# KiCad board peripheral_board_v1a.kicad_pcb (continued)
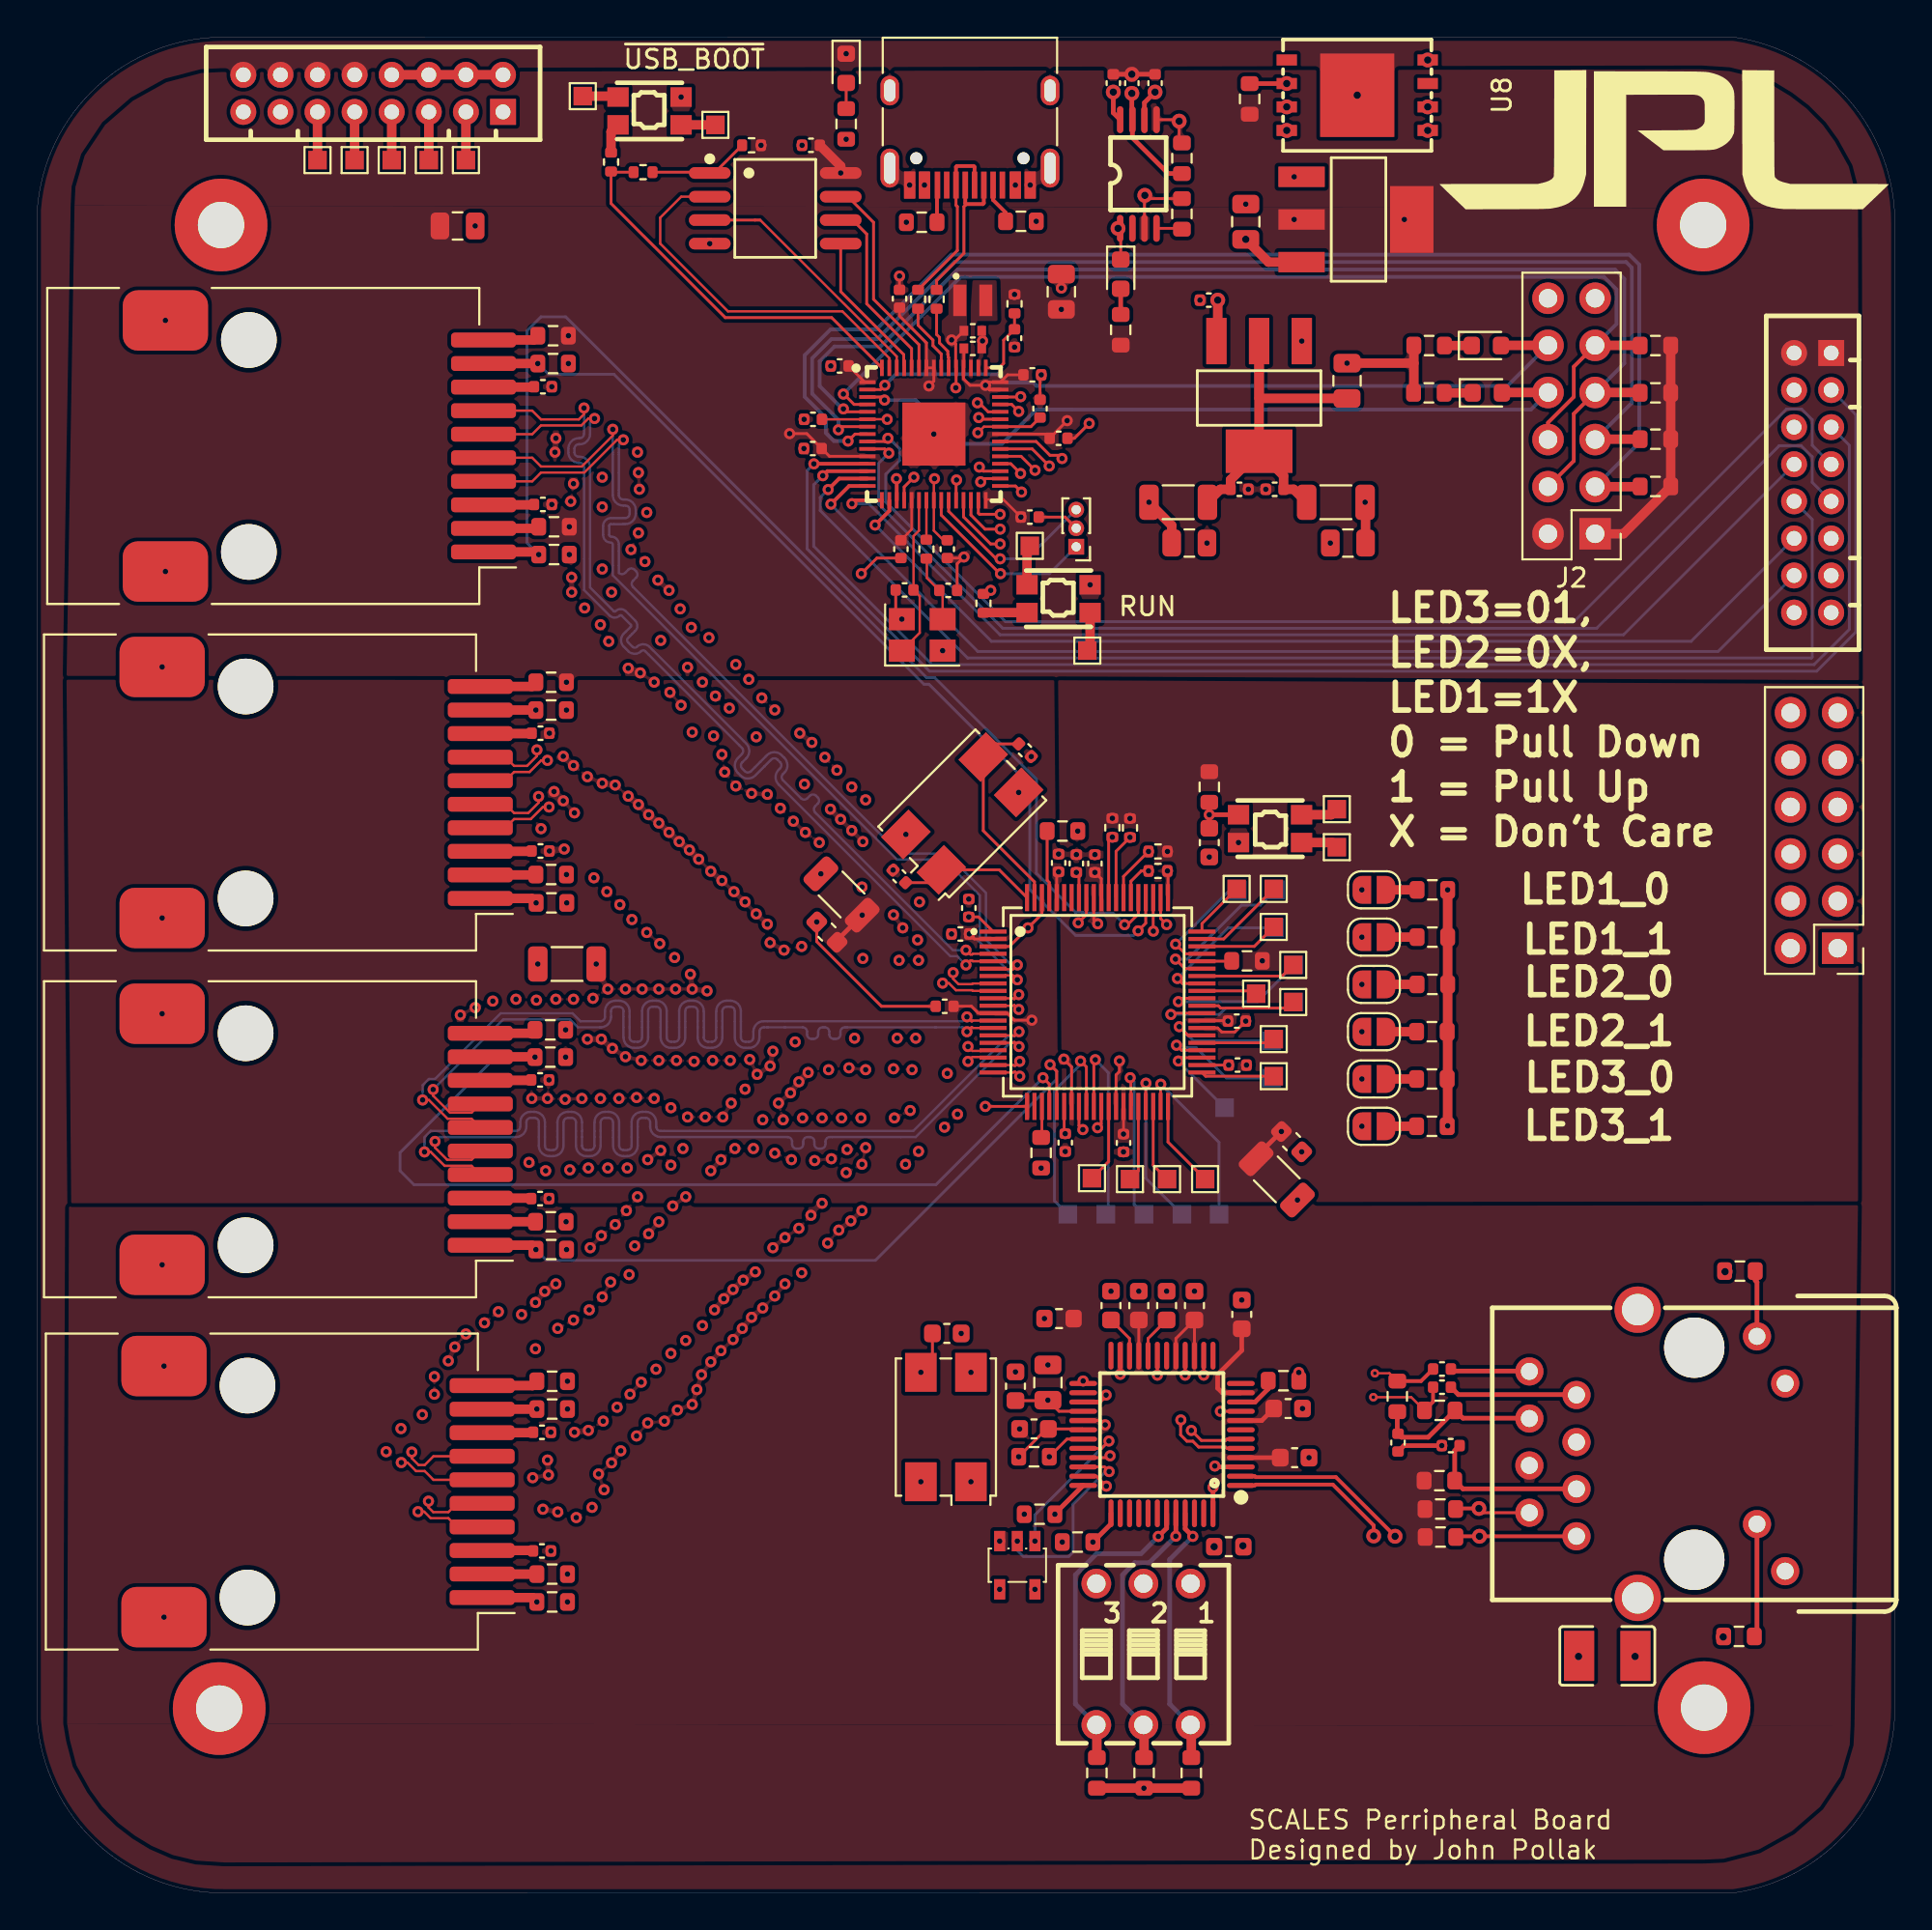
[diagram p0: board, top side]
## Routing (per net, layer and track width the routed paths; a pad name or vN(x,y) marks a point on that pad's centre or on a via; arc(x,y) is an arc through that point) (continued)
INTR_N: length 1.7
  F.Cu_SIG w0.152: R33.2 54.17,40.78 U6.23
LED1_0: length 79.9
  F.Cu_SIG w0.152: U6.65 59.37,52.79 58.79,52.21 v1(58.63,52.21)
  F.Cu_SIG w0.508: J5.1 26.9,72.31 v1(27.04,72.17)
  In3.Cu_SIG w0.152: v1(58.63,52.21) 60.51,54.09 v1(71.42,54.09)
  B.Cu_SIG w0.152: v1(27.04,72.17) 26.41,72.8 26.41,84.24 27.17,84.99 28.5,84.99 47.96,65.53 48.39,65.53 53.87,60.06 53.87,54.99 55.97,52.89 56.36,52.89 56.41,52.84 58,52.84 v1(58.63,52.21)
LED1_1: length 67.5
  F.Cu_SIG w0.152: v1(59.35,51.88) 59.77,52.29 U6.64
  F.Cu_SIG w0.508: J5.9 v1(26.99,82.47)
  In3.Cu_SIG w0.152: v1(71.42,51.54) 69.22,53.74 60.65,53.74 59.35,52.44 v1(59.35,51.88)
  B.Cu_SIG w0.152: v1(59.35,51.88) 59.11,51.63 55.99,51.63 53.52,54.1 53.52,59.74 48.08,65.18 47.81,65.18 31.09,81.89 27.57,81.89 v1(26.99,82.47)
LED2_0: length 75.8
  F.Cu_SIG w0.152: v1(60.18,51.86) 60.17,51.87 U6.63
  F.Cu_SIG w0.508: J6.1 26.66,53.63 v1(26.9,53.39)
  In3.Cu_SIG w0.152: v1(26.9,53.39) 23.77,56.52 23.77,66.09 24.52,66.84 40.72,66.84 56.25,51.3 59.62,51.3 v1(60.18,51.86) 60.18,52.32 60.65,52.8 67.61,52.8 v1(71.42,48.99)
LED2_1: length 57.7
  F.Cu_SIG w0.152: v1(60.89,52.22) 60.57,52.54 U6.62
  F.Cu_SIG w0.508: 23.89,63.79 v1(26.89,63.79)
  In3.Cu_SIG w0.152: v1(71.42,46.44) 65.64,52.22 v1(60.89,52.22) 60.89,51.76 59.97,50.84 56.17,50.84 43.82,63.19 27.47,63.19 26.89,63.77 v1(26.89,63.79)
LED3_0: length 56.6
  F.Cu_SIG w0.152: v1(54.61,44.66) 54.97,44.31 U6.25
  F.Cu_SIG w0.508: v1(26.89,34.69) 26.66,34.93 J7.1
  In3.Cu_SIG w0.152: v1(71.42,43.89) 70.56,43.03 56.24,43.03 v1(54.61,44.66)
  B.Cu_SIG w0.152: v1(26.89,34.69) 27.47,34.11 45.19,34.11 54.96,43.88 54.96,44.31 v1(54.61,44.66)
LED3_1: length 70.7
  F.Cu_SIG w0.152: U6.24 54.57,43.62 v1(54.23,43.96)
  F.Cu_SIG w0.508: 23.89,45.09 26.83,45.09 v1(26.84,45.07)
  In3.Cu_SIG w0.152: v1(71.42,41.34) 70.08,42.68 55.51,42.68 v1(54.23,43.96)
  B.Cu_SIG w0.152: v1(26.84,45.07) 24.72,45.07 19.57,39.92 19.57,38.94 20.32,38.19 48.46,38.19 v1(54.23,43.96)
LED4_0: length 45.8
  F.Cu_SIG w0.152: U6.31 57.37,41.46 v1(57.17,41.26)
  F.Cu_SIG w0.508: v1(26.94,15.69) 26.71,15.93 J8.1
  In3.Cu_SIG w0.152: v1(26.94,15.69) 27.54,15.09 31.35,15.09 57.17,40.91 v1(57.17,41.26)
LED4_1: length 66.4
  F.Cu_SIG w0.152: v1(56.38,41.16) 56.17,41.37 U6.28
  F.Cu_SIG w0.508: 23.99,26.09 26.94,26.09 v1(26.94,26.09)
  In3.Cu_SIG w0.152: v1(26.94,26.09) 24.07,26.09 19.02,21.04 19.02,17.69 20.32,16.39 28.97,16.39 53.55,40.97 53.55,40.98 54.41,41.84 55.7,41.84 v1(56.38,41.16)
PME_N: length 1.6
  F.Cu_SIG w0.152: U6.56 64.38,50.24 R34.2
PMODE0: length 14.3
  F.Cu_SIG w0.254: v1(62.3,19.23) 61.89,19.64 U4.45
  F.Cu_SIG w0.508: SW3.1 62.22,9.02 R21.1
  B.Cu_SIG w0.254: SW3.1 61.05,10.19 61.05,17.98 v1(62.3,19.23)
PMODE1: length 15.3
  F.Cu_SIG w0.254: v1(61.39,19.24) 61.39,19.24 U4.44
  F.Cu_SIG w0.508: R20.1 59.68,9.03 SW3.2
  B.Cu_SIG w0.254: v1(61.39,19.24) 59.96,17.81 59.17,17.81 58.51,17.15 58.51,10.19 SW3.2
PMODE2: length 17.1
  F.Cu_SIG w0.254: v1(60.44,19.22) 60.89,19.67 U4.43
  F.Cu_SIG w0.508: R19.1 57.13,9.03 SW3.3
  B.Cu_SIG w0.254: v1(60.44,19.22) 59.51,18.29 57.12,18.29 55.97,17.15 55.97,10.19 SW3.3
R1CT: length 2.7
  F.Cu_SIG w0.508: J5.8 26.77,81.2 C58.1
R2CT: length 2.8
  F.Cu_SIG w0.508: C60.1 26.64,62.52 23.89,62.52
R3CT: length 2.8
  F.Cu_SIG w0.508: J7.8 26.61,43.82 C62.1
R4CT: length 2.8
  F.Cu_SIG w0.508: C64.1 26.71,24.82 J8.8
RCT: length 9.1
  F.Cu_SIG w0.25: 80.45,25.6 76.86,25.6 R26.1 74.99,24.57 73.56,24.57 C31.2 73.33,24.8 R28.1
RST_N: length 14.9
  F.Cu_SIG w0.152: U6.72 56.57,52.75 v1(56.13,52.31)
  F.Cu_SIG w0.25: v1(63.19,58.14) C51.1 ; v1(63.19,58.14) R46.2 ; v1(63.19,58.14) SW4.1
  In3.Cu_SIG w0.152: v1(56.13,52.31) 58.26,54.44 61.09,54.44 61.51,54.87 61.51,56.46 v1(63.19,58.14)
RSTn: length 65.1
  F.Cu_SIG w0.152: v1(50.87,76.09) 51.04,76.27 U1.32
  F.Cu_SIG w0.254: U4.37 57.89,19.9 v1(56.92,18.92)
  In2.Cu_PWR w0.152: v1(56.92,18.92) 56.92,20.34 53.16,24.1 52.91,24.1 48.22,28.79 48.22,73.44 v1(50.87,76.09)
RX: length 41.4
  F.Cu_SIG w0.152: v1(45.68,80.5) 45.52,80.67 U1.3
  F.Cu_SIG w0.508: D2.2 78.99,80.91 J2.8
  B.Cu_SIG w0.2: v1(45.68,80.5) 47.36,80.5 49.72,78.14 52.02,78.14 53.87,79.99 55.8,79.99 55.8,79.99 80.53,79.99 J2.8
RX1+: length 51.9
  F.Cu_SIG w0.127: v1(50.08,50.84) 50.31,50.6 50.41,50.6 50.44,50.64 U6.4 ; J5.6 26.69,78.66 27.16,79.13 29.34,79.13 29.71,79.51 v1(30.05,79.51)
  B.Cu_SIG w0.127: v1(30.05,79.51) 29.81,79.27 29.81,78.68 arc(29.65,78.28) 29.25,78.12 29.2,78.12 arc(29.04,78.05) 28.97,77.88 28.97,77.68 arc(29.04,77.51) 29.2,77.45 29.25,77.45 arc(29.65,77.28) 29.81,76.88 29.81,70.4 31.09,69.12 arc(31.14,69.1) 31.18,69.12 arc(31.46,69.23) 31.74,69.12 32.24,68.61 arc(32.36,68.33) 32.24,68.06 31.85,67.67 arc(31.81,67.55) 31.85,67.44 32.1,67.19 arc(32.22,67.14) 32.33,67.19 arc(32.67,67.33) 33.02,67.19 38.23,61.98 arc(38.39,61.58) 38.23,61.18 38.01,60.96 arc(37.94,60.8) 38.01,60.63 38.15,60.49 arc(38.32,60.42) 38.49,60.49 39.35,61.35 arc(39.74,61.51) 40.14,61.35 40.28,61.21 arc(40.45,60.81) 40.28,60.41 40.21,60.33 arc(40.14,60.17) 40.21,60 41.18,59.03 arc(41.35,58.96) 41.52,59.03 41.66,59.16 arc(41.83,59.23) 42,59.16 42.08,59.08 arc(42.15,58.91) 42.08,58.74 41.95,58.6 arc(41.88,58.43) 41.95,58.26 49.37,50.84 v1(50.08,50.84)
RX1-: length 51.9
  F.Cu_SIG w0.127: U6.5 50.44,50.24 50.41,50.28 50.31,50.28 v1(50.08,50.04) ; J5.7 26.69,79.93 27.16,79.46 29.2,79.46 29.48,79.74 v1(29.48,80.07)
  B.Cu_SIG w0.127: v1(50.08,50.04) 49.6,50.51 49.23,50.51 39.98,59.77 arc(39.81,60.17) 39.98,60.57 40.05,60.64 arc(40.12,60.81) 40.05,60.98 39.91,61.12 arc(39.74,61.19) 39.58,61.12 38.72,60.26 arc(38.32,60.09) 37.92,60.26 37.78,60.4 arc(37.61,60.8) 37.78,61.2 38,61.41 arc(38.07,61.58) 38,61.75 32.79,66.96 arc(32.67,67.01) 32.56,66.96 arc(32.22,66.82) 31.87,66.96 31.62,67.21 arc(31.48,67.55) 31.62,67.9 32.01,68.29 arc(32.03,68.33) 32.01,68.38 31.5,68.88 arc(31.46,68.9) 31.41,68.88 arc(31.14,68.77) 30.86,68.88 29.48,70.26 29.48,76.88 arc(29.41,77.05) 29.25,77.12 29.2,77.12 arc(28.81,77.28) 28.64,77.68 28.64,77.88 arc(28.81,78.28) 29.2,78.45 29.25,78.45 arc(29.41,78.51) 29.48,78.68 v1(29.48,80.07)
RX2+: length 53.4
  F.Cu_SIG w0.127: v1(49.38,49.63) 49.38,49.29 49.67,49 50.41,49 50.44,49.04 U6.8 ; v1(27.51,61.07) 27.18,61.07 26.55,60.45 25.71,60.45 25.24,59.98 J6.6
  In3.Cu_SIG w0.127: v1(49.38,49.63) 41.7,49.63 arc(41.53,49.7) 41.46,49.87 41.46,50.11 arc(41.39,50.28) 41.22,50.35 41.1,50.35 arc(40.93,50.28) 40.86,50.11 40.86,49.87 arc(40.79,49.7) 40.62,49.63 38.96,49.63 38.27,50.31 arc(38.21,50.47) 38.27,50.64 38.5,50.87 arc(38.67,51.27) 38.5,51.67 38.36,51.81 arc(37.96,51.97) 37.56,51.81 36.65,50.89 arc(36.48,50.82) 36.31,50.89 36.17,51.03 arc(36.1,51.2) 36.17,51.37 37.09,52.28 arc(37.25,52.68) 37.09,53.08 36.95,53.22 arc(36.55,53.39) 36.15,53.22 35.23,52.31 arc(35.07,52.24) 34.9,52.31 34.76,52.45 arc(34.69,52.62) 34.76,52.78 35.67,53.7 arc(35.84,54.1) 35.67,54.5 35.53,54.64 arc(35.13,54.8) 34.74,54.64 33.82,53.72 arc(33.65,53.65) 33.49,53.72 33.34,53.86 arc(33.28,54.03) 33.34,54.2 34.26,55.11 arc(34.43,55.51) 34.26,55.91 34.12,56.05 arc(33.72,56.22) 33.32,56.05 32.41,55.14 arc(32.24,55.07) 32.07,55.14 31.93,55.28 arc(31.86,55.44) 31.93,55.61 32.85,56.53 arc(33.01,56.93) 32.85,57.32 32.7,57.47 arc(32.31,57.63) 31.91,57.47 30.99,56.55 arc(30.82,56.48) 30.66,56.55 30.52,56.69 arc(30.45,56.86) 30.52,57.03 31.43,57.94 arc(31.6,58.34) 31.43,58.74 31.29,58.88 arc(30.89,59.04) 30.49,58.88 30.27,58.65 arc(30.1,58.58) 29.93,58.65 v1(27.51,61.07)
RX2-: length 53.3
  F.Cu_SIG w0.127: U6.9 50.44,48.64 50.41,48.68 49.53,48.68 49.15,49.06 v1(48.82,49.06) ; v1(26.94,61.64) 26.94,61.3 26.41,60.77 25.71,60.77 25.24,61.25 J6.7
  In3.Cu_SIG w0.127: v1(26.94,61.64) 26.94,61.18 26.95,60.84 27.28,60.51 27.61,60.51 29.7,58.42 arc(30.1,58.26) 30.5,58.42 30.72,58.65 arc(30.89,58.72) 31.06,58.65 31.2,58.51 arc(31.27,58.34) 31.2,58.17 30.28,57.26 arc(30.12,56.86) 30.28,56.46 30.43,56.32 arc(30.82,56.15) 31.22,56.32 32.14,57.23 arc(32.31,57.3) 32.47,57.23 32.61,57.09 arc(32.68,56.93) 32.61,56.76 31.7,55.84 arc(31.53,55.44) 31.7,55.05 31.84,54.9 arc(32.24,54.74) 32.64,54.9 33.55,55.82 arc(33.72,55.89) 33.89,55.82 34.03,55.68 arc(34.1,55.51) 34.03,55.34 33.11,54.43 arc(32.95,54.03) 33.11,53.63 33.25,53.49 arc(33.65,53.32) 34.05,53.49 34.97,54.41 arc(35.13,54.48) 35.3,54.41 35.44,54.26 arc(35.51,54.1) 35.44,53.93 34.53,53.01 arc(34.36,52.62) 34.53,52.22 34.67,52.08 arc(35.07,51.91) 35.47,52.08 36.38,52.99 arc(36.55,53.06) 36.72,52.99 36.86,52.85 arc(36.93,52.68) 36.86,52.52 35.94,51.6 arc(35.78,51.2) 35.94,50.8 36.08,50.66 arc(36.48,50.5) 36.88,50.66 37.8,51.58 arc(37.96,51.65) 38.13,51.58 38.27,51.44 arc(38.34,51.27) 38.27,51.1 38.04,50.87 arc(37.88,50.47) 38.04,50.08 38.82,49.3 48.58,49.3 v1(48.82,49.06)
RX3+: length 51.9
  F.Cu_SIG w0.127: v1(20.78,42.76) 21.12,42.76 22.13,41.75 23.42,41.75 J7.6 ; U6.13 50.44,47.04 50.41,47 50.36,47 v1(50.13,47.24)
  B.Cu_SIG w0.127: v1(20.78,42.76) 20.78,43.22 20.78,43.56 21.12,43.89 21.45,43.89 25,47.43 28.86,47.43 29.29,47.01 30.38,47.01 arc(30.54,47.07) 30.61,47.24 30.61,47.55 arc(30.78,47.95) 31.18,48.11 31.38,48.11 arc(31.77,47.95) 31.94,47.55 31.94,46.13 arc(32.01,45.97) 32.18,45.9 32.38,45.9 arc(32.54,45.97) 32.61,46.13 32.61,47.55 arc(32.78,47.95) 33.18,48.11 33.38,48.11 arc(33.77,47.95) 33.94,47.55 33.94,46.13 arc(34.01,45.97) 34.18,45.9 34.38,45.9 arc(34.54,45.97) 34.61,46.13 34.61,47.55 arc(34.78,47.95) 35.18,48.11 35.38,48.11 arc(35.77,47.95) 35.94,47.55 35.94,46.13 arc(36.01,45.97) 36.18,45.9 36.38,45.9 arc(36.54,45.97) 36.61,46.13 36.61,47.55 arc(36.78,47.95) 37.18,48.11 37.38,48.11 arc(37.77,47.95) 37.94,47.55 37.94,46.13 arc(38.01,45.97) 38.18,45.9 38.38,45.9 arc(38.54,45.97) 38.61,46.13 38.61,46.44 arc(38.78,46.84) 39.18,47.01 49.89,47.01 v1(50.13,47.24)
RX3-: length 51.9
  F.Cu_SIG w0.127: U6.14 50.44,46.64 50.41,46.68 50.36,46.68 v1(50.13,46.44) ; J7.7 23.42,42.07 22.26,42.07 21.35,42.99 v1(21.35,43.32)
  B.Cu_SIG w0.127: v1(21.35,43.32) 25.13,47.11 28.73,47.11 29.15,46.68 30.38,46.68 arc(30.77,46.84) 30.94,47.24 30.94,47.55 arc(31.01,47.72) 31.18,47.79 31.38,47.79 arc(31.54,47.72) 31.61,47.55 31.61,46.13 arc(31.78,45.73) 32.18,45.57 32.38,45.57 arc(32.77,45.73) 32.94,46.13 32.94,47.55 arc(33.01,47.72) 33.18,47.79 33.38,47.79 arc(33.54,47.72) 33.61,47.55 33.61,46.13 arc(33.78,45.73) 34.18,45.57 34.38,45.57 arc(34.77,45.73) 34.94,46.13 34.94,47.55 arc(35.01,47.72) 35.18,47.79 35.38,47.79 arc(35.54,47.72) 35.61,47.55 35.61,46.13 arc(35.78,45.73) 36.18,45.57 36.38,45.57 arc(36.77,45.73) 36.94,46.13 36.94,47.55 arc(37.01,47.72) 37.18,47.79 37.38,47.79 arc(37.54,47.72) 37.61,47.55 37.61,46.13 arc(37.78,45.73) 38.18,45.57 38.38,45.57 arc(38.77,45.73) 38.94,46.13 38.94,46.44 arc(39.01,46.61) 39.18,46.68 41.27,46.68 arc(41.44,46.61) 41.51,46.44 41.51,46.29 arc(41.58,46.12) 41.75,46.05 41.87,46.05 arc(42.04,46.12) 42.11,46.29 42.11,46.44 arc(42.18,46.61) 42.35,46.68 42.47,46.68 arc(42.64,46.61) 42.71,46.44 42.71,46.29 arc(42.78,46.12) 42.95,46.05 43.07,46.05 arc(43.24,46.12) 43.31,46.29 43.31,46.44 arc(43.38,46.61) 43.55,46.68 49.89,46.68 v1(50.13,46.44)
RX4+: length 53.3
  F.Cu_SIG w0.127: v1(19.63,23.21) 19.97,23.21 20.43,22.75 20.9,22.75 21.37,22.28 J8.6 ; U6.17 50.92,45.44 50.88,45.4 50.42,45.4 v1(50.18,45.64)
  In3.Cu_SIG w0.127: v1(19.63,23.21) 19.63,23.67 19.63,24.01 19.97,24.34 20.3,24.34 22.87,26.91 arc(23.27,27.07) 23.67,26.91 23.72,26.85 arc(23.89,26.78) 24.05,26.85 24.2,26.99 arc(24.27,27.16) 24.2,27.33 23.34,28.18 arc(23.18,28.58) 23.34,28.98 23.49,29.12 arc(23.88,29.28) 24.28,29.12 25.31,28.09 arc(25.48,28.02) 25.65,28.09 25.79,28.23 arc(25.86,28.4) 25.79,28.56 24.76,29.59 arc(24.59,29.99) 24.76,30.39 24.9,30.53 arc(25.3,30.7) 25.7,30.53 25.93,30.3 arc(26.1,30.23) 26.26,30.3 41.37,45.4 49.95,45.4 v1(50.18,45.64)
RX4-: length 53.3
  F.Cu_SIG w0.127: v1(50.18,44.84) 50.42,45.08 50.88,45.08 50.92,45.04 U6.18 ; v1(20.2,23.77) 20.2,23.44 20.56,23.07 20.9,23.07 21.37,23.55 J8.7
  In3.Cu_SIG w0.127: v1(50.18,44.84) 49.95,45.08 41.5,45.08 30.19,33.77 30.11,33.68 arc(30.04,33.51) 30.11,33.34 30.21,33.24 arc(30.28,33.07) 30.21,32.9 30.12,32.82 arc(29.95,32.75) 29.79,32.82 29.68,32.92 arc(29.51,32.99) 29.34,32.92 29.26,32.83 arc(29.19,32.66) 29.26,32.49 29.36,32.39 arc(29.43,32.22) 29.36,32.05 29.28,31.97 arc(29.11,31.9) 28.94,31.97 28.83,32.07 arc(28.66,32.14) 28.49,32.07 26.49,30.07 arc(26.1,29.9) 25.7,30.07 25.47,30.3 arc(25.3,30.37) 25.13,30.3 24.99,30.16 arc(24.92,29.99) 24.99,29.82 26.02,28.8 arc(26.18,28.4) 26.02,28 25.88,27.86 arc(25.48,27.69) 25.08,27.86 24.05,28.89 arc(23.88,28.96) 23.72,28.89 23.58,28.74 arc(23.51,28.58) 23.58,28.41 24.43,27.56 arc(24.59,27.16) 24.43,26.76 24.29,26.62 arc(23.89,26.46) 23.49,26.62 23.43,26.67 arc(23.27,26.74) 23.1,26.67 v1(20.2,23.77)
RX +: length 18.5
  F.Cu_SIG w0.127: R26.2 74.08,26.73 v3(72.04,26.73)
  F.Cu_SIG w0.155: v1(62.22,24.94) 62.76,24.4 64.07,24.4 64.14,24.47 U4.6
  F.Cu_SIG w0.2: C32.1 75.26,26.49 R26.2
  In1.Cu_GND w0.127: v3(72.04,26.73) 72.05,26.74
  In3.Cu_SIG w0.127: v1(62.22,24.94) 62.22,25.27 64.12,27.17 71.6,27.17 v3(72.04,26.73)
RX -: length 19.6
  F.Cu_SIG w0.127: v3(72.12,28.02) 72.91,28.02 R28.2
  F.Cu_SIG w0.155: v1(61.66,25.5) 61.66,25.19 61.65,25.18 61.65,24.7 61.98,24.36 62.3,24.36 62.62,24.04 64.07,24.04 64.14,23.97 U4.5
  F.Cu_SIG w0.2: C33.1 74.61,27.6 R28.2
  In1.Cu_GND w0.127: 72.18,28 72.14,28 v3(72.12,28.02) 72.09,28
  In3.Cu_SIG w0.127: v1(61.66,25.5) 61.99,25.5 63.99,27.5 71.6,27.5 v3(72.12,28.02)
SPI0_CS0: length 39.7
  F.Cu_SIG w0.152: v1(51.92,73.54) 51.1,73.54 50.34,74.3 U1.28
  F.Cu_SIG w0.25: R14.2 67.36,97.57 v2(67.37,97.57)
  In4.Cu_GND w0.152: v1(51.92,73.54) 51.9,73.54 50.29,75.15 50.29,76.28 50.12,76.46 50.12,85.58 62.11,97.57 v2(67.37,97.57)
SPI0_CS1: length 113.2
  F.Cu_SIG w0.152: U1.40 50.85,79.47 v1(50.76,79.56) ; U4.32 57.38,23.97 v1(57.78,24.37)
  In3.Cu_SIG w0.152: v1(50.76,79.56) 51.33,78.99 51.65,78.99 51.68,78.96 54.65,78.96 77.94,55.67 78.04,55.67 80.23,53.48 J3.4
  In4.Cu_GND w0.152: v1(57.78,24.37) 60.76,27.34 68.39,27.34 J3.4
  B.Cu_SIG w0.152: v1(57.78,24.37) 53.79,20.38 v1(53.79,18.97)
SPI0_ETHER: length 10.5
  F.Cu_SIG w0.152: U4.34 57.54,22.97 v1(57.79,22.72)
  B.Cu_SIG w0.152: v1(52.84,18.97) 52.84,18.47 53.17,18.14 55.62,18.14 55.84,18.37 55.84,20.95 57.61,22.72 v1(57.79,22.72)
SPI0_MISO: length 100.9
  F.Cu_SIG w0.152: U1.27 49.94,74.2 51.4,72.74 v1(51.92,72.74)
  In4.Cu_GND w0.152: v2(74.97,96.31) 76.17,95.11 76.17,94.19 75.77,93.79 73.52,93.79 52.47,72.74 v1(51.92,72.74) 51.9,72.74 45.56,66.41 45.56,22.7 v1(51.89,16.37)
SPI0_MOSI: length 89.9
  F.Cu_SIG w0.152: v1(57.64,21.94) 57.1,22.47 U4.35 ; v1(53.07,75.54) 52.74,75.87 U1.31
  In2.Cu_PWR w0.152: v1(57.64,21.94) 57.82,21.94 58.42,22.53 58.42,27.09 55.11,30.39 55.11,39.48 54.4,40.19 54.36,40.16 53.89,40.16 53.55,40.5 53.55,40.98 53.58,41.01 53.52,41.07 53.52,43.59 53.65,43.72 53.65,44.52 54.22,45.09 54.22,74.39 v1(53.07,75.54)
  In4.Cu_GND w0.152: v1(53.07,75.54) 53.62,76.09 54.92,76.09 73.87,95.04 v2(74.97,95.04)
SPI0_SCK: length 86.2
  F.Cu_SIG w0.152: v1(57.84,23.57) 57.74,23.47 U4.33 ; U1.29 50.74,74.4 50.8,74.34 v1(51.92,74.34)
  In2.Cu_PWR w0.152: v1(51.92,74.34) 51.9,74.34 50.83,73.27 50.83,42.94 50.54,42.65 50.54,31.34 55.07,26.81 55.07,26.15 57.64,23.57 v1(57.84,23.57)
  In4.Cu_GND w0.152: v2(67.37,96.31) 51.92,80.86 v1(51.92,74.34)
SPI1_CS1: length 81.6
  F.Cu_SIG w0.152: v1(57.97,56.93) 57.77,56.73 U6.69
  F.Cu_SIG w0.2: v1(45.18,73.76) 45.94,74.53 U1.17
  In3.Cu_SIG w0.152: v1(45.18,73.76) 45.18,73.38 57.39,61.17 57.39,57.51 v1(57.97,56.93)
  B.Cu_SIG w0.152: CN2.12 89.17,67.49 51.45,67.49 v1(45.18,73.76)
SPI1_RX: length 88.3
  F.Cu_SIG w0.152: U6.68 58.17,56.17 v1(58.92,56.92)
  F.Cu_SIG w0.2: U1.16 44.11,75.1 v1(43.93,74.91)
  In3.Cu_SIG w0.152: v1(43.93,74.91) 45.28,74.91 48.31,71.88 48.31,70.75 59.56,59.5 59.56,57.57 v1(58.92,56.92)
  B.Cu_SIG w0.152: CN2.8 85.52,67.84 51.91,67.84 44.84,74.91 v1(43.93,74.91)
SPI1_SCK: length 100.4
  F.Cu_SIG w0.152: v1(59.92,56.16) 58.57,54.81 U6.67
  F.Cu_SIG w0.2: v1(42.65,75.68) 43.24,76.27 U1.14
  In3.Cu_SIG w0.152: v1(59.92,56.16) 59.92,59.64 48.66,70.89 48.66,72.03 45.02,75.68 v1(42.65,75.68)
  B.Cu_SIG w0.152: CN2.10 95.69,74.06 95.69,66.64 95.65,66.59 50.17,66.59 42.22,74.54 42.22,75.25 v1(42.65,75.68)
SPI1_TX: length 88.8
  F.Cu_SIG w0.152: v1(59.92,55.11) 59.52,55.11 58.97,54.55 U6.66
  F.Cu_SIG w0.2: v1(42.8,74.89) 43.77,75.87 U1.15
  In3.Cu_SIG w0.152: v1(59.92,55.11) 58.97,55.11 56.68,57.4 56.68,61.01 v1(42.8,74.89)
  B.Cu_SIG w0.152: v1(42.8,74.89) 42.8,74.86 50.71,66.94 90.62,66.94 CN2.14
STAT: length 69.9
  F.Cu_SIG w0.152: v1(50.69,80.35) 50.78,80.35 51.27,79.87 U1.41 ; v2(58.27,89.76) U9.1 58.42,89.73 D4.1
  In3.Cu_SIG w0.152: J3.6 78.09,56.02 54.79,79.31 51.82,79.31 50.78,80.35 v1(50.69,80.35) 51,80.35 58.27,87.63 v2(58.27,89.76)
SWCLK: length 10
  F.Cu_SIG w0.152: v1(51.94,71.14) 51.9,71.14 48.74,74.3 U1.24
  B.Cu_SIG w0.152: J1.1 54.57,71.14 v1(51.94,71.14)
SWD: length 9.6
  F.Cu_SIG w0.152: U1.25 49.14,74.5 51.7,71.94 v1(51.92,71.94)
  B.Cu_SIG w0.152: v1(51.92,71.94) 53.37,71.94 J1.3
T1CT: length 2.7
  F.Cu_SIG w0.508: C57.1 26.77,74.85 J5.3
T2CT: length 2.8
  F.Cu_SIG w0.508: J6.3 26.64,56.17 C59.1
T3CT: length 2.8
  F.Cu_SIG w0.508: C61.1 26.61,37.47 23.89,37.47
T4CT: length 2.8
  F.Cu_SIG w0.508: C63.1 26.71,18.47 23.99,18.47
TCT: length 8.7
  F.Cu_SIG w0.25: C35.2 76.42,23.86 R30.1 76.86,21.79 82.99,21.79
TX: length 40.7
  F.Cu_SIG w0.152: U1.2 45.47,81.07 v1(45.7,81.3)
  F.Cu_SIG w0.508: D3.2 78.93,83.45 J2.10
  B.Cu_SIG w0.2: v1(45.7,81.3) 46.3,81.9 51.78,81.9 52.24,81.44 53.7,81.44 53.88,81.26 79.26,81.26 J2.10
TX1+: length 51.9
  F.Cu_SIG w0.127: v1(52.84,50.04) 52.61,49.8 52.19,49.8 52.16,49.84 U6.6 ; v1(31.6,78.36) 31.26,78.36 29.5,76.59 27.16,76.59 26.69,76.12 J5.4
  B.Cu_SIG w0.127: v1(31.6,78.36) 31.36,78.12 31.36,75.38 arc(31.43,75.21) 31.6,75.14 31.71,75.14 arc(32.11,74.98) 32.27,74.58 32.27,74.38 arc(32.11,73.98) 31.71,73.81 30.94,73.81 arc(30.87,73.78) 30.84,73.72 30.84,73.24 arc(30.87,73.17) 30.94,73.14 arc(31.24,73.02) 31.36,72.72 31.36,71.19 arc(31.53,71.12) 31.7,71.19 31.87,71.35 arc(32.04,71.42) 32.21,71.35 32.29,71.27 arc(32.36,71.1) 32.29,70.93 32.13,70.76 arc(32.06,70.59) 32.13,70.42 33.1,69.45 46.5,56.05 49.03,56.05 51.15,53.93 51.15,51.4 52.51,50.04 v1(52.84,50.04)
TX1-: length 51.9
  F.Cu_SIG w0.127: U6.7 52.16,49.44 52.19,49.48 52.61,49.48 v1(52.84,49.24) ; J5.5 26.69,77.39 27.16,76.92 29.36,76.92 31.03,78.59 v1(31.03,78.92)